# Altium PCB SIm800C-V2.PcbDoc
Units mil, origin at the board's own origin, x right, y up, seen from the top; angles counter-clockwise.
Board outline 2735 x 3935 mil, 2 copper layers (Top Layer, Bottom Layer); 59 components, 41 nets, 205 pads, 140 vias.
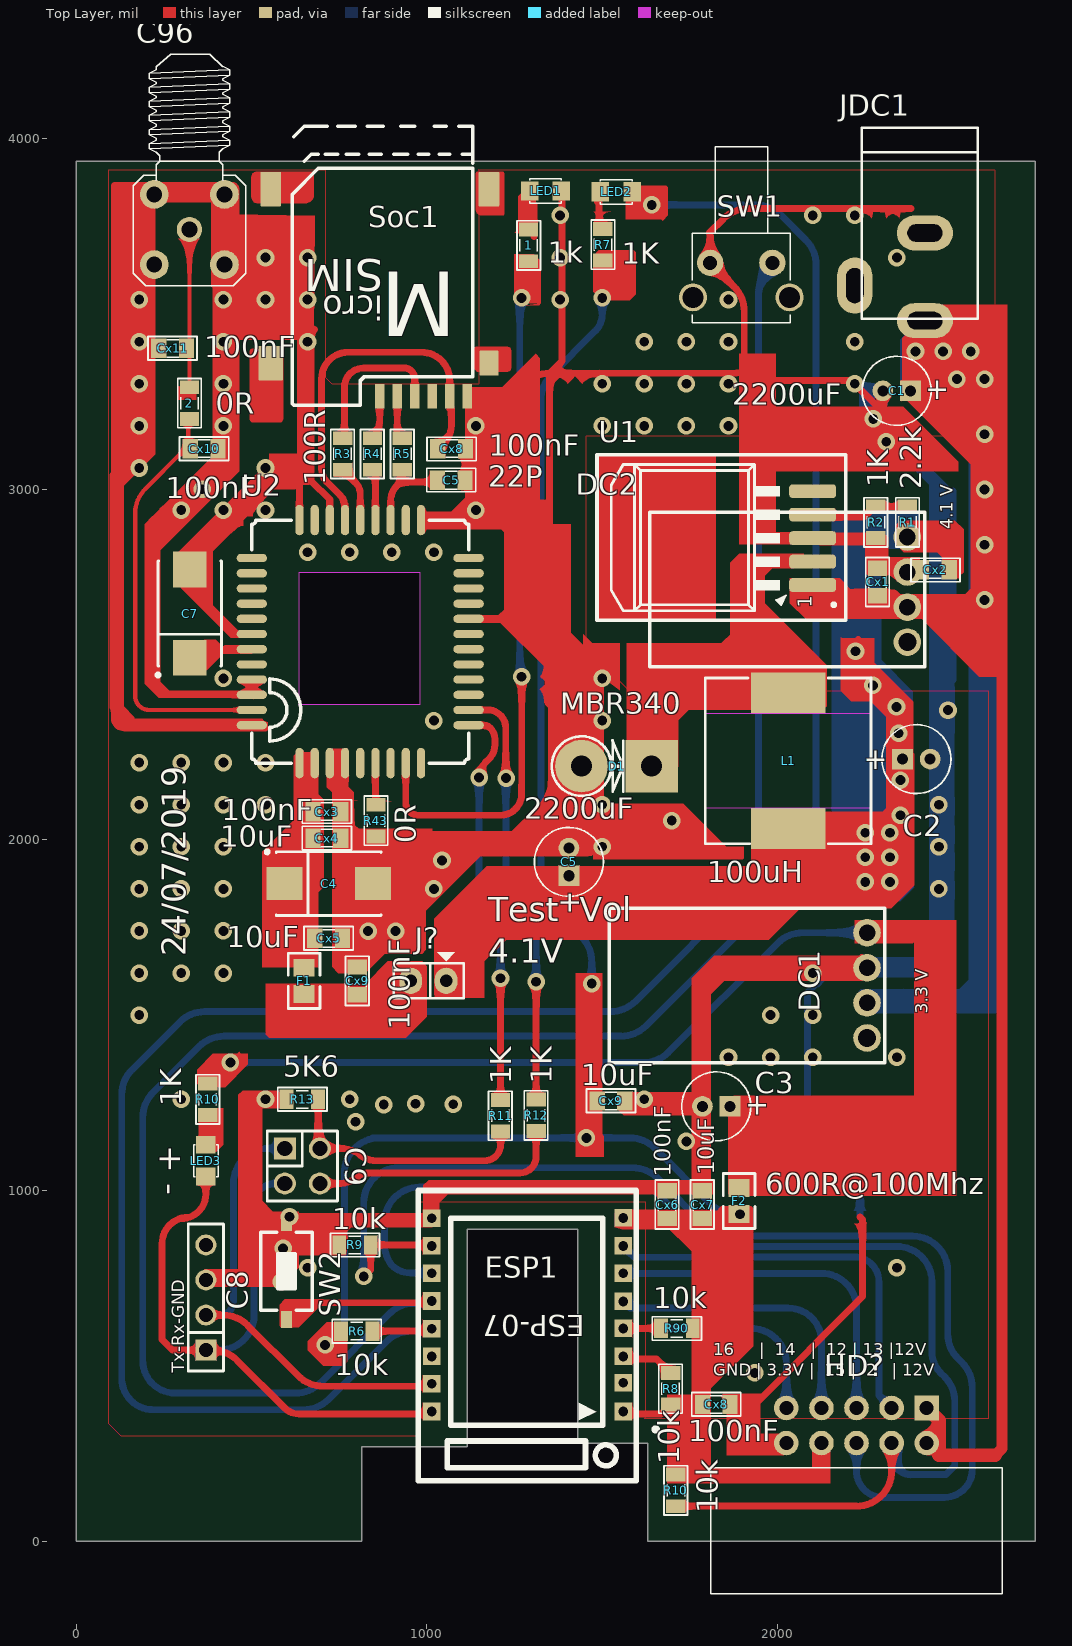
[diagram p0: Top Layer view]
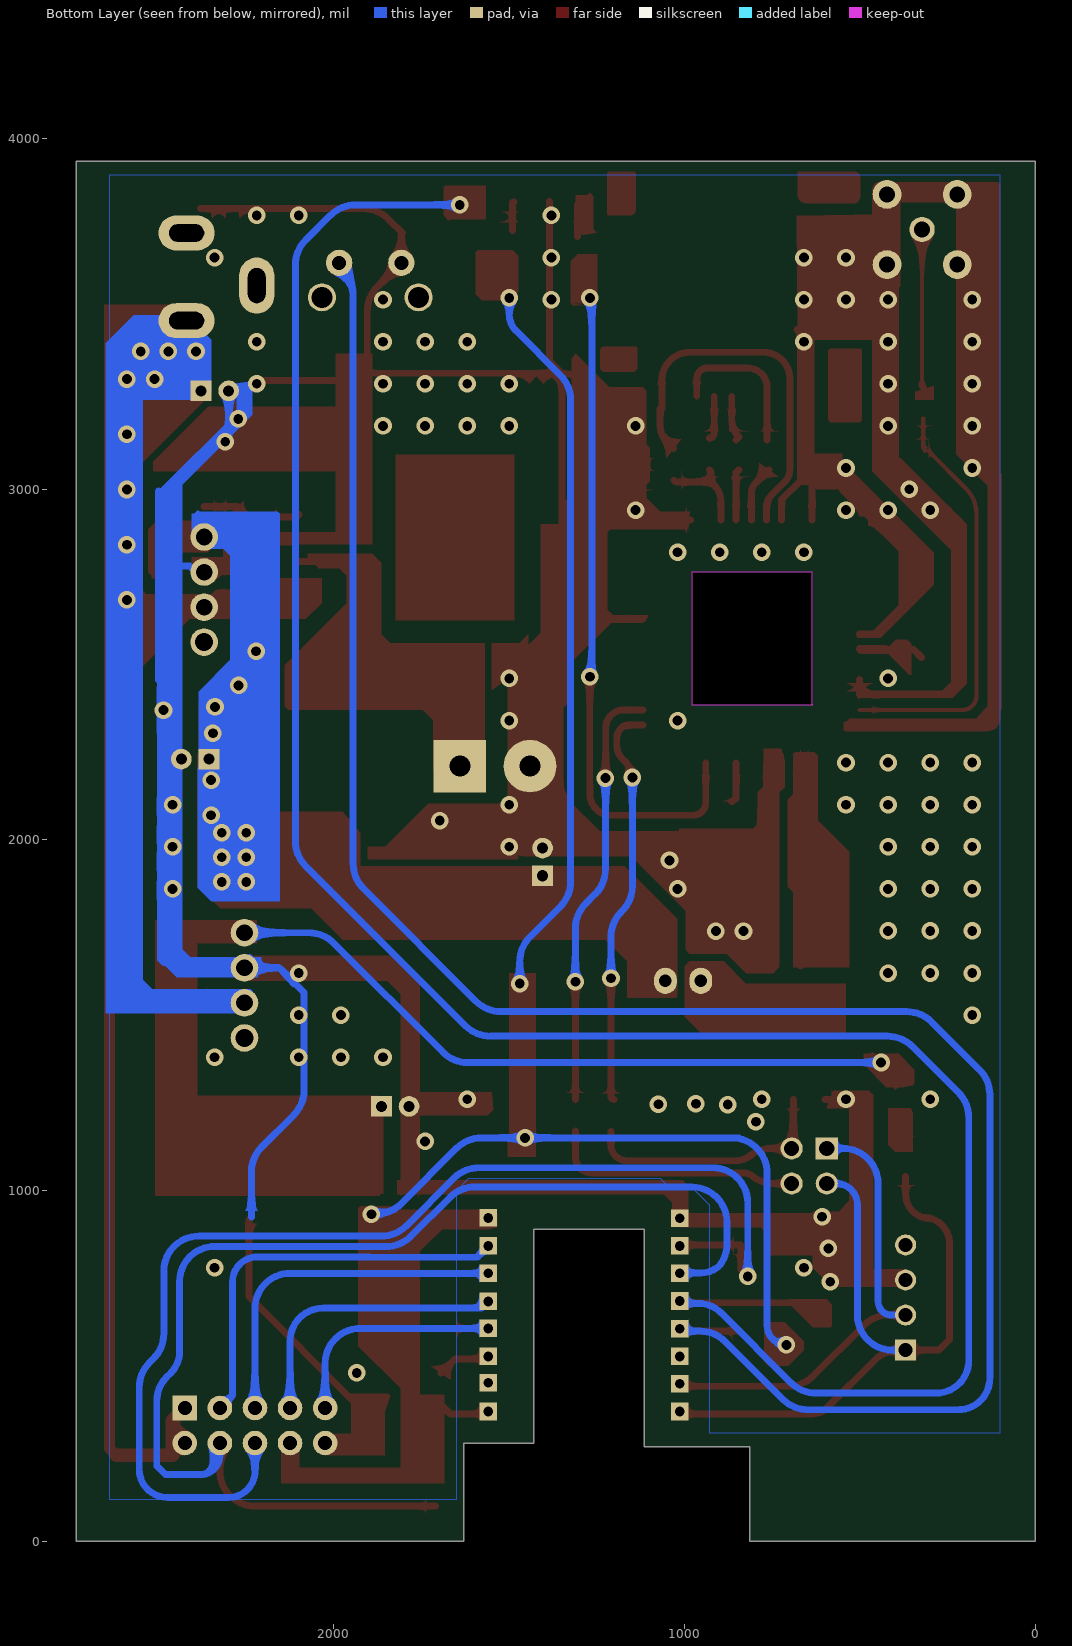
[diagram p1: Bottom Layer view, seen from below]

## Layer stack, top to bottom
Top Solder: solder mask 0.4, Solder Resist, Dk 3.5
Top Layer: signal copper 1.4
Dielectric 1: dielectric 12.6, FR-4, Dk 4.8
Bottom Layer: signal copper 1.4
Bottom Solder: solder mask 0.4, Solder Resist, Dk 3.5

## Board outline
0,0 815,0 815,270 1115,270 1115,890 1430,890 1430,280 1630,280 1630,0 2735,0 2735,3935 0,3935
cut-out: 980,2763.31 980,2385 635,2385 636.69,2386.69 636.69,2763.31

## Design rules (kind name [scope] priority, off if disabled: settings)
Clearance Clearance_2 [InNamedPolygon('Top Layer-GND')] p1: gap=19.68 ignorepadtopadclearanceinfootprint=FALSE
Clearance Clearance_1 [InNamedPolygon('Bottom Layer-No Net')] p2: gap=19.68 ignorepadtopadclearanceinfootprint=FALSE
Clearance [All] p3: gap=10 ignorepadtopadclearanceinfootprint=FALSE except(0: Arc-Hole Track-Hole SMDPad-Hole THPad-Hole Via-Hole Fill-Hole Poly-Hole Region-Hole Text-Hole)
PolygonConnect [All] p1: connectstyle=Relief reliefconductorwidth=10 reliefentries=4 polygonreliefangle="90 Angle" airgapwidth=10
RoomDefinition Sheet1 [InComponentClass('Sheet1')] p1: confinementstyle=ConfineIn formatcopy=TRUE lockcomponents=FALSE outline 2815,70 4830,70 4830,610 2815,610
RoomDefinition MCU [InComponentClass('MCU')] p2: confinementstyle=ConfineIn formatcopy=TRUE lockcomponents=FALSE outline 2815,70 6030,70 6030,1180 2815,1180
RoomDefinition SIM [InComponentClass('SIM')] p3: confinementstyle=ConfineIn formatcopy=TRUE lockcomponents=FALSE outline 7455,1950 14135,1950 14135,2875 7455,2875
RoomDefinition Power [InComponentClass('Power')] p4: confinementstyle=ConfineIn formatcopy=TRUE lockcomponents=FALSE outline 6820,-780 15160,-780 15160,1030 6820,1030
RoutingVias [All] p1: holewidth=28 width=50 viastyle="Through Hole" minholewidth=28 minwidth=50 maxholewidth=28 maxwidth=50
SolderMaskExpansion [All] p1: expansion=4 istentingtop=FALSE
Width [All] p1: maxlimit=39.37 minlimit=10 preferedwidth=19.68
30 further rules are at their usual default settings.

## Classes and differential pairs
component class Sheet1: C8 C9 LED3 R10 R11 R12 R13
component class MCU: Cx6 Cx7 Cx8 Cx9 ESP1 F2 HD? LED2 R6 R7 R8 R9 R10 R90 SW1 SW2
component class SIM: 1 2 C4 C5 C7 C96 Cx3 Cx4 Cx5 Cx8 Cx9 Cx10 Cx11 F1 LED1 R3 R4 R5 R43 Soc1 U2
component class Power: C1 C2 C3 C5 Cx1 Cx2 D1 DC1 DC2 J? JDC1 L1 R1 R2 U1

## Components (designator, comment, footprint, x,y, rotation, side; value= is the part's Value field where it differs from the comment)
1 "1k" RES-SMD-0805 1290,3694.59 r90 top
2 "0R" RES-SMD-0805 323.02,3245 r90 top
C1 "2200uF" CA-ALU-5 2339.37,3280 r180 top value=104
C2 "330uF" CA-ALU-5 2395.63,2230 r0 top value=104
C3 "330uF" CA-ALU-5 1825,1240 r180 top value=104
C4 "100uF" Cap_D 720,1875 r0 top value=100pF
C5 "2200uF" CA-ALU-5 1405,1936.88 r90 top value=104
C5 "22P" CN-SMD-0805 1069.37,3025.01 r180 top value=33pF
C7 "100uF" Cap_D 324.02,2645 r90 top value=100pF
C8 "JP4" JP4-C1T 370,545 r90 top
C9 "JP2x2" JP2-D2T 645,1070 r270 top
C96 "210111003" SMA-RAf 323.01,3740 r180 top
Cx1 "1uF" CN-SMD-0805 2285,2735 r270 top value=33pF
Cx2 "100nF" CN-SMD-0805 2450,2770 r0 top value=33pF
Cx3 "100nF" CN-SMD-0805 714.99,2080.16 r180 top value=33pF
Cx4 "10uF" CN-SMD-0805 715,2004.44 r180 top value=33pF
Cx5 "10uF" CN-SMD-0805 720.01,1719.04 r180 top value=33pF
Cx6 "100nF" CN-SMD-0805 1685,960 r270 top value=33pF
Cx7 "10uF" CN-SMD-0805 1785,960 r90 top value=33pF
Cx8 "100nF" CN-SMD-0805 1825,390 r180 top value=33pF
Cx8 "100nF" CN-SMD-0805 1070.63,3114.99 r0 top value=33pF
Cx9 "10uF" CN-SMD-0805 1525,1255.39 r180 top value=33pF
Cx9 "100nF" CN-SMD-0805 801.78,1597.77 r270 top value=33pF
Cx10 "100nF" CN-SMD-0805 365,3115 r0 top value=33pF
Cx11 "100nF" CN-SMD-0805 275,3401.15 r180 top value=33pF
D1 "MBR340" DIO-5AN 1641.04,2210 r180 top value=1N5007
DC1 "DC_V2" DC_V2 2305,1365 r180 top
DC2 "DC_V2" DC_V2 2420,2493.31 r180 top
ESP1 "ESP_8266" ESP12_small 1287.95,586.5 r180 top
F1 "600R@100Mhz" Capacitor_805 650,1597.77 r270 top
F2 "600R@100Mhz" Capacitor_805 1890,970.18 r90 top
HD? "IDC 5x2" IDC10-BH 2225,185 r180 top value="Header 5x2"
J? "Jumper 2" JP2 1055,1597.77 r180 top value="JP 2"
JDC1 "Jac DC" DC0 2320,3605 r270 top
L1 "100uH" L-SMD-M-12x10 2030,2225 r0 top
LED1 "LED" LED-0805-Green 1293.67,3850 r0 top value="LED 3 - 5 ly 2 Colour"
LED2 "LED" LED-0805-Green 1495,3847.5 r0 top value="LED 3 - 5 ly 2 Colour"
LED3 "LED" LED-0805-Green 370,1130 r270 top value="LED 3 - 5 ly 2 Colour"
R1 "2.2k" RES-SMD-0805 2370,2905 r90 top
R2 "1K" RES-SMD-0805 2280,2905 r270 top
R3 "100R" RES-SMD-0805 760,3100 r270 top
R4 "100R" RES-SMD-0805 845,3100 r270 top
R5 "100R" RES-SMD-0805 930,3100 r270 top
R6 "10k" RES-SMD-0805 800,599 r0 top
R7 "1K" RES-SMD-0805 1501.58,3696.77 r90 top
R8 "10k" RES-SMD-0805 1695,435 r270 top
R9 "10k" RES-SMD-0805 795,845 r0 top
R10 "10k" RES-SMD-0805 1710,145 r270 top
R10 "1K" RES-SMD-0805 375,1260 r90 top
R11 "1K" RES-SMD-0805 1210,1213.4 r270 top
R12 "1K" RES-SMD-0805 1311.62,1214.37 r270 top
R13 "5K6" RES-SMD-0805 645,1260 r180 top
R43 "0R" RES-SMD-0805 854.78,2054.65 r90 top
R90 "10k" RES-SMD-0805 1712.83,607 r0 top
Soc1 "MicroSIM" microSIM 1115.63,3264.45 r180 top
SW1 "SW" SW1-DIP 1985,3645 r180 top value="SW chip 2 pin"
SW2 "SW" SW1-SMD 600,770 r90 top value="SW chip 2 pin"
U1 "LM2976" TO263 1865,2845 r90 top
U2 "SIM800C" SIM800C 810,2565 r180 top

## Footprints (in the part's own frame and the unit in brackets; to place one, negate y for a bottom-side part, rotate by r counter-clockwise, add the part's x,y. Pads: shape width x height; smd on the part's side, far side on the other; paste and mask are expansions set on the pad)
CA-ALU-5 [mm] "Polarized capacitors, Aluminum Electrolytic Capacitors, 2-Leads, Body 5x11x2x0.5"
  rect 1.5x1.5 hole 0.8: 1(-1,0)
  round 1.5 hole 0.8: 2(1,0)
  silkscreen extent -2.5,-2.5 2.5,2.5, body extent -2.41,-2.5 2.59,2.5, height 11
Cap_D [mm] "Capacitor, SM Tantalum; Body 7.3 x 4.3 mm (LxW typ)"
  rect 2.6x2.4 smd: 1(-3.2,0) 2(3.2,0)
  silkscreen extent -4.57,-2.3 3.8,2.42, body extent -3.65,-2.15 3.65,2.15, height 2.8
Capacitor_805 [mm]
  rect 1.3x1.5 smd: 1(0.95,0) 2(-0.95,0)
  silkscreen extent -2,-1.15 2,1.15, body extent -1,-0.63 1,0.62, height 0.78
CN-SMD-0805 [mil]
  rect 43.31x55 smd: 1(-39.36,0.01) 2(39.37,0.01)
  silkscreen extent -70,-34 70,33, body extent -39,-25 39,25, height 31
DC0 [mil] "Jac DC input"
  oval 100x160 hole 50 slot 100 at 90 deg: 1(125,100) 2(-125,100)
  oval 160x100 hole 50 slot 100 at 0 deg: 3(25,-100)
  silkscreen extent -425,-80 120,250, body extent -410,-105 134,269, height 434
DC_V2 [mm]
  round 2 hole 1.2: 1(1.27,-4.318) 2(1.27,-6.858) 3(1.27,-9.398)
  round 2 hole 1.3: 4(1.27,-1.778)
  silkscreen extent 0,-11.18 19.94,0
DIO-5AN [mil] "Diode 5A, W 200mil, L 250mil"
  round 150 hole 60: 1(200,0)
  rect 150x150 hole 60: 2(0,0)
  silkscreen extent 81,-85 285,85, body extent -32,-111 222,90, height 451
ESP12_small [mil]
  rect 50x50 hole 27.95: 1(-272.05,216.5) 2(-272.05,134.5) 3(-272.05,59.5) 4(-272.05,-20.5) 5(-272.05,-97.5) 6(-272.05,-177.5) 7(-272.05,-255.5) 8(-272.05,-335.5) 9(274.13,-334.5) 10(274.13,-255.5) 11(274.13,-177.5) 12(274.13,-98.5) 13(274.13,-19.5) 14(274.13,59.5) 15(274.13,137.5) 16(274.13,216.5)
  silkscreen extent -370,-414 312,414, body extent -319,-392 320,552, height 354
IDC10-BH [mil]
  rect 70x70 hole 40: 1(-200,-195)
  round 70 hole 40: 2(-200,-95) 3(-100,-195) 4(-100,-95) 5(0,-195) 6(0,-95) 7(100,-195) 8(100,-95) 9(200,-195) 10(200,-95)
  silkscreen extent -415,-25 415,335, body extent -412,-204 412,330, height 354
JP2 [mil]
  oval 65x75 hole 36: 1(0,0) 2(101,0)
  silkscreen extent -50,-81 150,50, body extent -48,-50 148,48, height 323
JP2-D2T [mm] "4 pins, dual pin, straight, gold plating"
  rect 1.6x1.6 hole 1.1: 1(-1.27,-1.27)
  round 1.6 hole 1.1: 2(1.27,-1.27) 3(1.27,1.27) 4(-1.27,1.27)
  silkscreen extent -2.54,-2.54 2.54,2.54, body extent -2.54,-2.54 2.54,2.54, height 8.55
JP4-C1T [mm] "4 row, straight, gold plating"
  rect 1.52x1.52 hole 1.02: 1(0,0)
  round 1.52 hole 1.02: 2(2.54,0) 3(5.08,0) 4(7.62,0)
  silkscreen extent -1.52,-1.27 9.14,1.27, body extent -1.52,-1.25 9.14,1.25, height 8.51
L-SMD-M-12x10 [mm] "WE-PDA SMD Shielded Power Inductor, 1210"
  rect 5.4x3 smd: 1(0,4.9) 2(0,-4.9)
  Top Layer keep-out region: -6,-3.4 6,-3.4 6,3.4 -6,3.4
  silkscreen extent -6,-6 6,6, body extent -6,-6 6,6, height 9.7
LED-0805-Green [mil]
  rect 50x55 smd: 1(0,0) 2(90,0)
  silkscreen extent 0,-35 90,35, body extent 5,-25 85,25, height 43
microSIM [mm] "microSIM PUSH"
  rrect10% 0.7x1.8 smd: 1(1.27,0) 2(3.81,0) 3(6.35,0) 5(0,0) 6(2.54,0) 7(5.08,0)
  rrect10% 1.4x1.8 smd: 10(-1.56,-2.4)
  rrect10% 1.8x2.5 smd: 11(14.24,-2.4)
  rrect10% 1.5x2.5 smd: 12(-1.56,-15) 13(14.24,-15)
  silkscreen extent -0.38,-19.56 12.7,0.63, body extent -0.94,-16.45 13.46,-0.45, height 1.26
RES-SMD-0805 [mil]
  rect 39.37x55 smd: 1(-45,0) 2(45,0)
  silkscreen extent -70,-34 70,33, body extent -39,-25 39,25, height 31
SIM800C [mm]
  oval 2.2x0.6 smd: 1(-7.85,6.05) 2(-7.85,4.95) 3(-7.85,3.85) 4(-7.85,2.75) 5(-7.85,1.65) 6(-7.85,0.55) 7(-7.85,-0.55) 8(-7.85,-1.65) 9(-7.85,-2.75) 10(-7.85,-3.85) 11(-7.85,-4.95) 12(-7.85,-6.05) 22(7.85,-6.05) 23(7.85,-4.95) 24(7.85,-3.85) 25(7.85,-2.75) 26(7.85,-1.65) 27(7.85,-0.55) 28(7.85,0.55) 29(7.85,1.65) 30(7.85,2.75) 31(7.85,3.85) 32(7.85,4.95) 33(7.85,6.05)
  oval 0.6x2.2 smd: 13(-4.4,-8.8) 14(-3.3,-8.8) 15(-2.2,-8.8) 16(-1.1,-8.8) 17(0,-8.8) 18(1.1,-8.8) 19(2.2,-8.8) 20(3.3,-8.8) 21(4.4,-8.8) 34(4.4,8.8) 35(3.3,8.8) 36(2.2,8.8) 37(1.1,8.8) 38(0,8.8) 39(-1.1,8.8) 40(-2.2,8.8) 41(-3.3,8.8) 42(-4.4,8.8)
  silkscreen extent -7.85,-8.8 7.85,8.8, body extent -7.85,-8.8 7.85,8.8, height 2.37
SMA-RAf [mil]
  round 72 hole 45: 1(0,0)
  round 82 hole 45: 2(-100,-100) 3(100,-100) 4(100,100) 5(-100,100)
  silkscreen extent -160,-500 160,160, body extent -137,-457 139,137, height 394
SW1-DIP [mil]
  round 75 hole 40: 1(0,0) 2(177.16,0)
  round 80 hole 60: ""(-49.21,98.43) ""(226.38,98.43)
  silkscreen extent -51,-331 228,171, body extent -87,-398 265,160, height 283
SW1-SMD [mm]
  rect 1.2x0.8 smd: 1(-3.5,0) 2(3.5,0)
  silkscreen extent -2.82,-1.85 2.82,1.85, body extent -3.05,-1.85 3.05,1.85, height 2.5
TO263 [mm]
  rrect50% 1x3.4 smd: 1(-3.019,-5.969) 2(-1.319,-5.969) 4(2.081,-5.969) 5(3.781,-5.969)
  rrect50% 1x3.4 smd mask+0: 3(0.381,-5.969)
  Top Layer region: -5.568,1.016 6.432,1.016 6.432,9.65 -5.568,9.65
  silkscreen extent -5.57,-8.35 6.43,9.65, body extent -4.73,-6.84 5.43,7.8, height 4.57

## Part data
1 2 R1 R2 R3 R4 R5 R6 R7 R8 R9 R10 R10 R11 R12 R13 R43 R90: library part Res-SMD, "Resistor", Manufacturer="Generic Components", Class=Passive, Published=08/06/2000, Publisher="Altium Hobart Technology Centre"
C1 C2 C3 C5: library part CN-ALU-DIP, "Capacitor (Semiconductor SIM Model)", LatestRevisionDate=17-Jul-2002, LatestRevisionNote="Re-released for DXP Platform.", PackageReference=C1206, Publisher="Altium Limited"
C4 C7: library part "Tantalum Cap", "Solid Tantalum Chip Capacitor, Standard T491 Series - Industrial Grade", PackageDocument=Mar-2001, Code_JEITA=3528-21, ComponentLink1Description="Manufacturer Link", ComponentLink1URL=http://www.kemet.com/, ComponentLink2Description=Datasheet, ComponentLink2URL=http://www.kemet.com/kemet/web/homepage/kechome.nsf/vapubfilesname/F3102TA.pdf/$file/F3102TA.pdf, DatasheetDocument=Mar-2001, LatestRevisionDate=19-Mar-2004, LatestRevisionNote="Silkscreen dimensions re-sized.", PackageReference=B, Published=17-Jul-2002, Publisher="Altium Limited"
C5 Cx1 Cx2 Cx3 Cx4 Cx5 Cx6 Cx7 Cx8 Cx8 Cx9 Cx9 Cx10 Cx11: library part CN
C8: "WR-PHD 2.54 mm Angled Socket Header", Manufacturer="W¨¹rth Elektronik eiSos GmbH", partNo=613004143121, ComponentLink1 Description=Manufacturer, ComponentLink1URL=http://www.we-online.com, ComponentLink2 Description=Datasheet, ComponentLink2URL=http://katalog.we-online.de/em/datasheet/6130xx143121.pdf, Created by="Karrer Zheng", Created Date="29 March 2013", NoPins=04
C9: "WR-PHD 2.54 mm Dual Socket Header", Manufacturer="W¨¹rth Elektronik eiSos GmbH", partNo=61300421821, ComponentLink1 Description=Manufacturer, ComponentLink1URL=http://www.we-online.com, ComponentLink2 Description=Datasheet, ComponentLink2URL=http://katalog.we-online.de/em/datasheet/6130xx21821.pdf, Created by="Karrer Zheng", Created Date="29 March 2013", NoPins=04
C96: library part "CON Ant", "CONNECTOR ANTEN", Manufacturer="Würth Elektronik eiSos GmbH", ComponentLink1Description=Manufacturer, ComponentLink1URL=http://www.we-online.de, ComponentLink2Description=Datasheet, ComponentLink2URL=http://katalog.we-online.de/kataloge/eisos/index.php?language=en&pf=Filter_gerade, Created by="Christin Zierenner", Created Date="May 2012", partNo=210111003
D1: library part Diode, "Default Diode", Code - JEDEC=DO-214-AB, Published=8-Jun-2000, Publisher="Altium Limited", Revision="July-2002: Re-released for DXP Platform."
DC1 DC2: library part DC_Module_V2
F1 F2: library part Ferrite
HD?: library part "IDC 5X2"
J?: library part "JP 2"
JDC1: library part DCIN, "Jac DC input"
L1: library part L-SMD-1, Inductance="1.0 µH", Manufacturer="Wurth Elektronik", partNo=78477010, ComponentLink1Description=Manufacturer, ComponentLink1URL=http://www.we-online.de, ComponentLink2Description=Datasheet, ComponentLink2URL=http://katalog.we-online.de/pbs/datasheet/78477010.pdf, Created by="Baojun Chen", Created Date=Nov.2015
LED1 LED2 LED3: library part "LED SMD"
Soc1: library part Soc_Micro_SIM
SW1 SW2: library part SW2, "Switch button 2 pin"
U1: library part LM2596, Max Input Voltage="12 V", Max Output Current="3 (6.0 peak) A", Max Output Voltage=mV, Temperature Range="-40 to +125 degC", Category=IC-Power, Min Input Voltage=mV, Min Output Voltage=mV, Mounting Technology="Surface Mount", Status=Unreleased, Supply Voltage=mV

## Via types
v1: diameter 50, hole 28, Top Layer to Bottom Layer, tented both sides, 140 vias

## Nets (pads, with @x,y where several pads share a name; then routed paths per layer and width w, separated by ;. In a path a pad name is that pad's centre, name@x,y a point inside that pad or via, vN(x,y) a via of type N, cw(c..) or ccw(c..) an arc to the next point about the centre after c; other vN are vias at no path point)
GND: C1.2 C2.2 C3.2 C4.2 C5.1@1108.74,3025 C5.2@1405,1976.25 C7.2 C8.3 C96.2 C96.3 C96.4 C96.5 Cx1.1 Cx2.1 Cx3.1 Cx4.1 Cx5.1 Cx6.1 Cx7.2 Cx8.1@1864.36,390 Cx8.2@1110,3115 Cx9.1 Cx10.2 Cx11.2 D1.1 DC1.2 DC2.2 ESP1.9 HD?.10 JDC1.2 LED1.2 R2.2 R9.1 R13.2 R43.1 Soc1.5 SW1.2 SW2.2 U1.3 U2.8 U2.13 U2.19 U2.21 U2.27 U2.30 U2.31 U2.33 U2.36 U2.37 | length 18731.5
  Top Layer w19.68: C96.3@220.41,3827.32 393.92,3827.32 393.92,3649.69 393.92,3580.91 ; C96.3@222.41,3822.32 180,3822.32 v1(180,3540) v1(180,3420) v1(180,3300) v1(180,3180) 180,3115 105,3040 105,2385 ccw(c160,2385) 160,2330 497.76,2330 U2.33 ; 360,3050 210,2900 210,2468.43 ccw(c265,2468.43) 265,2413.43 U2.31 U2.30 ; C8.3 510,745 600,835 600,870 ; 407.22,3455 679.52,3455 ccw(c714.17,3428.11) 670.32,3428.11 670.32,3022.7 723.39,2969.63 U2.19 ; U2.27 453.35,2586.65 362.5,2677.5 362.5,2732.5 C7.2 550.49,2997.46 ; 567.5,920.64 510,978.14 510,1240 530,1260 R13.2 ; SW2.2 600,870 ; U2.21 636.77,3026.77 668.19,3058.19 ; U2.37 766.69,2102.67 784.36,2084.99 784.36,1994.99 ; 825.98,1825 825.98,1875 825.98,1953.37 784.36,1994.99 ; U2.13 1081.46,2911.46 1127.5,2957.5 1127.5,3006.24 1108.74,3025 1108.74,3113.74 1110,3115 Cx8.2@1120,3125 ; U2.8 1320.04,2629.96 ; 1222.52,2002.48 1215.03,1994.99 871.93,1994.99 784.36,1994.99 ; 1245,3264.45 1282.64,3302.09 cw(c1350,3234.76) 1350,3330 ; 1316.25,2960 1345,2960 1350,2955 ; 1385,3820.55 1385,3365 1350,3330 ; D1.1 1355,2123.96 ; Cx9.1@1564.36,1255.39 1770.24,1255.39 C3.2 ; Cx8.1@1864.36,390 1935,390 2242.5,697.5 2242.5,917.5 2235,925 ; 1925.57,3290 1940,3275.57 1940,2885 1965,2860 U1.3 2235,2860 ; 1925.57,3310 2210,3310 2300,3220 C1.2 ; 1935,3355 cw(c1874.64,3415.36) 1905,3335.58 ; DC1.2@2240,1665 2207.2,1632.2 1825,1632.2 1785.63,1592.83 C3.2 ; R2.2 2280,2779.37 Cx1.1 DC2.2@2375.01,2774.36 ; 2380.57,3799.43 2367.72,3799.43 2288.98,3799.43 1915.85,3799.43 ccw(c1915.85,3699.43) 1845.14,3770.14 1805,3730 cw(c1798.16,3723.16) 1807.83,3723.16 SW1.2 1875.71,3577.12 cw(c1805,3506.41) 1905,3506.41 1905,3335.58 ; 600,870 630,840 745,840 R9.1 750,885 779,914 1013.82,914 ESP1.9 1013.82,973.82 1039.36,999.36 Cx6.1 1700.02,1014.37 1784.99,1014.37 1784.99,1239.36 C3.2 ; 1320.04,2629.96 1345,2605 1345,2390 1355,2380 1355,2123.96 ; 1320.04,2629.96 1344.96,2629.96 1350,2635 1350,2955 ; 1350,2955 1350,3330 ; 1350,3330 1874.64,3330 ccw(c1874.64,3415.36) 1905,3335.58 ; 1355,2123.96 1233.52,2002.48 1233.52,1975.61 1355,2097.09 1355,2123.96
  Bottom Layer w19.68: 2235,925 2235,1053.58 ccw(c2135,1053.58) 2205.71,1124.29 2114.29,1215.71 cw(c2185,1286.42) 2085,1286.42 2085,1565 2155,1635 DC1.2 ; DC1.2@2240,1665 2255,1650 2485,1650 2495,1660 2495,2235 ; v1@2300,3135 C1.2 ; DC2.2 2381.3,2774.61 2405.67,2774.61 2411.06,2780 2455,2780 ; C2.2 2490,2230 2495,2235 ; 2500,2994.37 2500,2455 2495,2450 2495,2235
  other v1: 1934.65,479.84 585,740 660,780 2340,780 590,835 608.36,925 1740,1140 796.7,1196.27 876.93,1245 1075,1245.79 968.05,1247.5 300,1260 540,1260 780,1260 1620,1260 1860,1380 1980,1380 2100,1380 2340,1380 180,1500 1980,1500 2100,1500 180,1620 300,1620 420,1620 2100,1620 180,1740 300,1740 420,1740 832.28,1739.69 911.02,1739.69 180,1860 300,1860 420,1860 1020,1860 2460,1860 1043.21,1941.26 180,1980 300,1980 420,1980 1500,1980 2460,1980 1698.43,2054.65 180,2100 300,2100 420,2100 540,2100 1500,2100 2460,2100 180,2220 300,2220 420,2220 540,2220 1020,2340 1500,2340 2485.83,2369.61 420,2460 1500,2460 660,2820 780,2820 900,2820 1020,2820 300,2940 420,2940 540,2940 1140,2940 359.84,2999.53 180,3060 540,3060 2310,3135 420,3180 1140,3180 1500,3180 1620,3180 1740,3180 1860,3180 2272.5,3200 420,3300 1500,3300 1620,3300 1740,3300 1860,3300 2220,3300 420,3420 660,3420 1620,3420 1740,3420 1860,3420 2220,3420 420,3540 540,3540 660,3540 1380,3540 1860,3540 540,3660 660,3660 1380,3660 2340,3660 1380,3780 2100,3780 2220,3780
Net1_1: 1.1 U2.41 | length 2024.8
  Top Layer w19.68: U2.41 939.92,2105 ccw(c974.92,2105) 974.92,2070 1210,2070 ccw(c1210,2130) 1270,2130 1270,2156.47 1270.65,2157.12 1270.65,2464.35 v1(1270,2465) ; v1(1270,3545) 1270,3645 1.1@1275,3650
  Bottom Layer w19.68: v1(1270,2465) 1264.72,2470.28 1264.72,3539.73 v1(1270,3545)
Net1_2: 1.2 LED1.1 | length 104.7
  Top Layer w19.68: 1295,3820.55 1305,3810.55 1305,3739.59 1.2@1305,3720
Net2_1: 2.1 Cx10.1 U2.32 | length 1193
  Top Layer w12: Cx10.1@304.83,3108.06 197.63,3000.86 ccw(c268.34,2930.15) 168.34,2930.15 168.34,2410 ccw(c208.22,2410) 208.22,2370.12 U2.32 ; Cx10.1@314.04,3118.64 ccw(c316.54,3118.64) Cx10.1@314.77,3116.86 ; Cx10.1@314.83,3109.42 ccw(c312.88,3111.37) Cx10.1@315.64,3111.37 ; Cx10.1@319.67,3118.01 2.1@319.67,3201.23
Net2_2: 2.2 C96.1 Cx11.1 | length 487.2
  Top Layer w12: C96.1@321.02,3748.21 ccw(c318.94,3748.21) 320.41,3749.69 cw(c302.08,3731.35) C96.1@328.01,3731.35 ; 2.2 323.02,3296.54 323.02,3401.15 323.02,3442.09 C96.1@323.02,3743.21
  Top Layer w19.68: 2.2@319.15,3290.01 ccw(c308.34,3300.82) 323.02,3296.54 ccw(c308.34,3300.82) 2.2@323.63,3300.82
NetC1_1: C1.1 Cx1.2 DC1.1 DC2.1 HD?.1 HD?.2 JDC1.1 U1.1 | length 6082.1
  Top Layer w19.68: JDC1.1@2450,3480 2378.74,3408.74 C1.1 2592.2,3066.54
  Top Layer w31.5: 2620,245 2640,265 2640,2569.77
  Top Layer w39.37: U1.1 2147.24,2726.14 2147.24,2718.69 2170.31,2695.63 Cx1.2 2286.97,2693.66 2329,2693.66 2359.35,2663.31 DC2.1 2546.46,2663.31 2603.94,2605.83 2603.94,2683.74 2603.94,2763.31 2603.94,2841.22 2603.94,2920.79 2603.94,2998.7 2603.94,3054.8 2595,3063.74 ; HD?.1 2460,345 2460,245 2620,245
  Bottom Layer w19.68: DC1.1@2240,1565 2530,1565 2585,1620 2585,2605.83 ; JDC1.1@2450,3480 2418.74,3448.74 2506.26,3448.74 2556.61,3398.39 2585,3370 2585,3313.66 2585,3156.18 2585,3078.27
  other v1: 2590,2683.74 2590,2841.22 2590,2998.7 2590,3156.18 2511.26,3313.66 2590,3313.66 2393.15,3392.4 2471.89,3392.4 2550.63,3392.4
NetC2_1: C2.1 C5.1@1405,1897.51 Cx2.2 DC2.3 J?.1 L1.2 R1.1 | length 3383.3
  Top Layer w19.68: J?.1 1150.52,1693.29 1150.52,1890.52 1160,1900 2045,1900 ; 2190,1955 2135,1900 2045,1900 ; 2230,2571.46 2230,2510.72 2356.26,2384.46 C2.1 2356.26,2116.26 2272.09,2032.09 L1.2 2030,1915 2045,1900 ; R1.1 2475,2860 2489.37,2845.63 Cx2.2
  Bottom Layer w19.68: C2.1 2247.5,2338.76 2247.5,2822.5 2288.31,2863.31 DC2.3
  other v1: 2250,1880 2320,1880 2250,1950 2320,1950 2250,2020 2320,2020 2350,2070 2350,2170 2345,2303.54 2339,2378.74 2271.81,2440 2222.03,2537.5
NetC3_1: C3.1 DC1.3 F2.1 R10.2@375,1305 | length 2316
  Top Layer w19.68: R10.2@375,1305 420,1350 445,1375 450,1375 v1(440,1365) ; C3.1 1890,1214.37 F2.1@1890,1012.4
  Bottom Layer w19.68: v1(440,1365) 1618.58,1365 ccw(c1618.58,1465) 1689.29,1394.29 2000.71,1705.71 cw(c2071.42,1635) 2071.42,1735 DC1.3
NetC7_1: C7.1 U2.28 | length 187
  Top Layer w19.68: C7.1 348.35,2543.35 U2.28
NetC8_1: C8.1 C9.2 ESP1.16 LED3.2 | length 2036
  Top Layer w19.68: 300,920 ccw(c300,990) 323.03,923.9 ; LED3.2 370,990 cw(c300,990) 323.03,923.9 ; ESP1.16@1013.82,363 635,363 cw(c635,418.53) 595.74,379.26 459.29,515.71 ccw(c388.58,445) 388.58,545 C8.1 275,545 245,575 245,848.9 cw(c320,848.9) 252.54,881.67 cw(c320,848.9) 320,923.9 323.03,923.9
  Bottom Layer w19.68: C8.1 407.5,545 ccw(c407.5,645) 420.9,545.9 ccw(c407.5,645) 507.5,645 507.5,960 cw(c567.5,960) 567.5,1020 C9.2
NetC8_2: C8.2 C9.1 ESP1.15 | length 1359.6
  Top Layer w19.68: C8.2 418.58,645 cw(c418.58,545) 489.29,615.71 633.71,471.29 ccw(c704.42,542) 704.42,442 ESP1.15@1013.82,442
  Bottom Layer w19.68: C8.2 409.61,645 ccw(c409.61,684) 448.61,684 448.61,1020 cw(c548.61,1020) 548.61,1120 C9.1
NetC9_3: C9.3 R12.2 | length 722.8
  Top Layer w19.68: C9.3 746.08,1020 ccw(c746.08,1120) 801.11,1036.51 cw(c833.69,1003.93) 811.29,1044.19 cw(c833.69,1003.93) 833.69,1050 1265,1050 ccw(c1265,1096.62) 1311.62,1096.62 R12.2
NetC9_4: C9.4 R11.2 R13.1 | length 749.8
  Top Layer w19.68: R13.1 690,1125 C9.4 753.58,1120 cw(c753.58,1020) 804.87,1105.84 ; R11.2 1210,1130 cw(c1165,1130) 1165,1085 855.19,1085 cw(c855.19,1156.17) 821.27,1093.6 ; 804.87,1105.84 cw(c753.58,1020) 821.27,1093.6 ; 804.87,1105.84 ccw(c855.19,1156.17) 821.27,1093.6
NetCx6_2: Cx6.2 Cx7.1 Cx8.2@1785.63,390 Cx9.2@1485.63,1255.39 ESP1.1 ESP1.8 F2.2 HD?.8 R6.1 R7.1 R8.2 R10.1@1710,190 R90.2 | length 5603.4
  Top Layer w19.68: v1(710,560) 710,565 744,599 R6.1 ; v1(1455,1150) 1455,1224.76 Cx9.2@1470.08,1239.84 ; v1(1470.08,1590) Cx9.2@1470.08,1239.84 ; Cx9.2@1485.63,1255.39 Cx9.2@1470.08,1239.84 ; v1(1500,3545) 1515,3545 1550,3580 1555,3575 1580.32,3600.32 ; ESP1.1@1560,363 1668,363 R8.2 1770,390 Cx8.2@1777.81,397.81 ; ESP1.8@1560,915 1565.63,920.63 Cx6.2 1696.98,932.6 Cx7.1@1780,932.6 ; Cx8.2@1780,400 Cx7.1@1780,932.6 ; 1855,932.6 Cx7.1@1780,932.6 ; 1860,932.6 v1(1893.03,932.6) F2.2@1894.99,930.64
  Bottom Layer w19.68: v1(710,560) ccw(c710,615) 765,615 765,1050 cw(c865,1050) 844.2,1147.81 cw(c846.38,1147.81) 846.38,1150 v1(1455,1150) 1579.21,1150 cw(c1579.21,1050) 1649.92,1120.71 1808.74,961.89 ccw(c1879.45,1032.6) 1879.45,932.6 v1(1893.03,932.6) ; v1(1470.08,1590) 1470.08,1652.75 ccw(c1370.08,1652.75) 1440.79,1723.46 1399.63,1764.63 1354.29,1809.96 cw(c1425,1880.67) 1325,1880.67 1325,3253.58 cw(c1425,3253.58) 1354.29,3324.29 1480,3450 ccw(c1431.72,3498.28) 1500,3498.28 v1(1500,3545)
NetCx9_2: Cx9.2@801.78,1558.39 F1.1 J?.2 | length 379.6
  Top Layer w19.68: 590,1560 720.01,1560 801.78,1560 916.23,1560 J?.2
NetD1_2: D1.2 L1.1 U1.2 | length 1129.3
  Top Layer w19.68: D1.2 1707.09,2210 1707.09,2415.23 1772.79,2480.94 1828.22,2480.94 1837.28,2490 1855,2490 1925,2560 ; L1.1 2030,2430 1925,2535 1930,2540 1930,2775 1948.07,2793.07 U1.2
NetESP1_3: ESP1.3 R8.1 | length 151.6
  Top Layer w19.68: ESP1.3@1560,520 1655,520 R8.1
NetESP1_4: ESP1.4 HD?.9 R90.1 | length 756.9
  Top Layer w19.68: ESP1.4 R90.1
  Bottom Layer w19.68: ESP1.4 1925,607 cw(c1925,507) 1938.98,606.02 cw(c1925,507) 2024.02,520.98 cw(c1925,507) 2025,507 HD?.9
NetESP1_5: ESP1.5 HD?.7 | length 817.1
  Bottom Layer w19.68: ESP1.5 1579,665 2030,665 cw(c2030,570) 2125,570 HD?.7
NetESP1_6: ESP1.6 HD?.5 | length 1006.1
  Bottom Layer w19.68: ESP1.6 2125,764 cw(c2125,664) 2225,664 HD?.5
NetESP1_7: ESP1.7 HD?.3 | length 1158.1
  Bottom Layer w19.68: ESP1.7 1592.21,809.79 1898.17,809.79 1899.17,810.79 2218.19,810.79 cw(c2218.19,740) 2288.98,740 2288.98,416.02 HD?.3
NetESP1_10: ESP1.10 HD?.6 R9.2 | length 3421.5
  Top Layer w19.68: v1(820,755) 840,775 R9.2 1003.82,845 ESP1.10@1013.82,835
  Bottom Layer w19.68: v1(820,755) 820,965 cw(c920,965) 920,1065 1586.6,1065 cw(c1586.6,965) 1657.31,1035.71 1793.57,899.45 ccw(c1864.28,970.16) 1864.28,870.16 2385,870.16 cw(c2385,770.16) 2485,770.16 2485,591.42 ccw(c2585,591.42) 2514.29,520.71 2525.71,509.29 cw(c2455,438.58) 2555,438.58 2555,205 cw(c2475,205) 2475,125 2300,125 cw(c2300,200) 2276.08,128.92 cw(c2300,200) 2228.92,176.08 cw(c2300,200) 2225,200 HD?.6
NetESP1_11: ESP1.11 HD?.4 R10.2@1710,100 | length 3537.4
  Top Layer w19.68: R10.2@1710,100 2225,100 ccw(c2225,200) 2325,200 HD?.4
  Bottom Layer w19.68: ESP1.11 ccw(c1011.4,761.59) 1011.4,765 953.9,765 cw(c953.9,842.88) 898.83,787.81 cw(c979.48,846.95) 882.51,822.49 cw(c979.48,846.95) 879.48,846.95 879.48,910 cw(c979.48,910) 979.48,1010 1598.58,1010 cw(c1598.58,910) 1669.29,980.71 1780.24,869.76 ccw(c1850.95,940.47) 1850.95,840.47 2340,840.47 cw(c2340,740.47) 2440,740.47 2440,540.47 ccw(c2525.62,540.47) 2465.06,479.94 ; HD?.4 2325,245 ccw(c2380,245) 2380,190 2480,190 2505,215 2505,400 ccw(c2408.43,400) 2476.72,468.28 2465.08,479.92
NetESP1_12: ESP1.12 LED2.2 SW2.1 | length 6584.2
  Top Layer w19.68: SW2.1 600,643.23 636.77,680 1011.82,680 ESP1.12@1013.82,678
  Bottom Layer w19.68: ESP1.12@1013.82,678 960,678 ccw(c960,588.67) 896.84,651.84 696.79,451.79 cw(c626.08,522.5) 626.08,422.5 282.5,422.5 cw(c282.5,515) 271.89,423.11 cw(c282.5,515) 190.61,504.39 cw(c282.5,515) 190,515 190,1208.58 cw(c290,1208.58) 219.29,1279.29 350.71,1410.71 cw(c421.42,1340) 421.42,1440 1553.58,1440 ccw(c1553.58,1540) 1624.29,1469.29 2080.71,1925.71 ccw(c2010,1996.42) 2110,1996.42 2110,3638.58 ccw(c2010,3638.58) 2080.71,3709.29 2009.29,3780.71 ccw(c1938.58,3710) 1938.58,3810 v1(1641.04,3810)
NetESP1_13: ESP1.13 R6.2 SW1.1 | length 5847.6
  Top Layer w19.68: R6.2 ESP1.13@1013.82,599
  Bottom Layer w19.68: ESP1.13@1013.82,599 955.42,599 ccw(c955.42,499) 884.71,569.71 719.29,404.29 cw(c648.58,475) 648.58,375 220,375 cw(c220,465) 209.37,375.63 cw(c220,465) 130.63,454.37 cw(c220,465) 130,465 130,1273.58 cw(c230,1273.58) 159.29,1344.29 295.71,1480.71 cw(c366.42,1410) 366.42,1510 1523.58,1510 ccw(c1523.58,1610) 1594.29,1539.29 1915.71,1860.71 ccw(c1845,1931.42) 1945,1931.42 1945,3548.58 cw(c2045,3548.58) 1974.29,3619.29 SW1.1@2000,3645
NetESP1_14: ESP1.14
NetLED2_1: LED2.1 R7.2 | length 84.7
  Top Layer w19.68: 1486.26,3818.64 cw(c1486.26,3813.64) 1491.26,3813.64 R7.2@1491.26,3736.77
NetLED3_1: LED3.1 R10.1@375,1215 | length 87.1
  Top Layer w19.68: LED3.1 370,1210 R10.1@375,1215
NetR1_2: R1.2 R2.1 U1.4 | length 285.3
  Top Layer w19.68: U1.4 2106.93,2920 2245,2920 2275,2950 R2.1 R1.2
NetR3_1: R3.1 Soc1.2 | length 449.4
  Top Layer w19.68: R3.1@765,3140 765,3290 cw(c820,3290) 820,3345 935,3345 cw(c935,3314.37) 965.63,3314.37 Soc1.2
NetR4_1: R4.1 Soc1.3 | length 133.4
  Top Layer w19.68: R4.1@853.31,3140 845,3148.31 ccw(c795.19,3198.11) 865.63,3198.11 Soc1.3
NetR5_1: R5.1 Soc1.7 | length 128.5
  Top Layer w19.68: Soc1.7 915.63,3159.37 ccw(c930,3159.37) R5.1@925,3145.9 ; R5.1@925,3145 R5.1@925,3145.9 ; R5.1 cw(c930,3159.37) R5.1@925,3145.9
NetR43_2: R43.2 U2.39 | length 117.1
  Top Layer w19.68: U2.39 853.31,2118.62 863.15,2108.78 R43.2@866.38,2108.78
RXD1: R12.1 U2.2 | length 1222.3
  Top Layer w19.68: U2.2 1173.74,2370.12 cw(c1173.74,2318.86) 1225,2318.86 1225,2176.5 v1(1225.81,2175.7) ; R12.1 v1(1311.62,1595)
  Bottom Layer w19.68: v1(1225.81,2175.7) 1225.35,2175.24 1225.35,1916.07 1225.81,1915.61 ccw(c1325.81,1915.61) 1255.1,1844.9 1282.33,1817.67 cw(c1211.62,1746.96) 1311.62,1746.96 v1(1311.62,1595)
SimClk: R4.2 U2.16 | length 147
  Top Layer w19.68: R4.2 853.31,3046.69 U2.16
SimData: C5.2@1030,3025 R5.2 U2.15 | length 261.7
  Top Layer w19.68: U2.15 896.61,2965 cw(c960.87,2965) 915.43,3010.44 925,3020 ; R5.2 925,3050 925,3020 ; C5.2@1030,3025 1025,3020 925,3020
SimRST: R3.2 U2.17 | length 162.4
  Top Layer w19.68: R3.2 797.06,3017.94 ; 797.09,3017.92 cw(c765.82,2986.7) 810,2986.7 U2.17
SIMVCC: Cx8.1@1031.26,3115 Soc1.1 U2.18 | length 1090.7
  Top Layer w19.68: 753.3,2981.7 715,3020 cw(c751.21,3056.21) 700,3056.21 700,3315 cw(c775,3315) 775,3390 985,3390 cw(c985,3310) 1001.13,3388.36 cw(c985,3310) 1063.36,3326.13 cw(c985,3310) 1065,3310 1065,3235 1070,3230 1070,3181.64 cw(c1002.65,3181.64) Cx8.1@1050.3,3134.04 ; 753.33,2981.67 cw(c720.98,2949.37) 766.69,2949.37 U2.18 ; Cx8.1@1031.26,3115 Cx8.1@1050.27,3134.01
TXD1: R11.1 U2.1 | length 1161.5
  Top Layer w19.68: U2.1 1161.39,2326.81 cw(c1161.39,2298.74) 1181.24,2318.59 cw(c1151.05,2288.4) 1193.74,2288.4 1193.74,2270 cw(c1138.08,2270) 1177.44,2230.64 1166.5,2219.7 ccw(c1208.67,2177.54) v1(1149.03,2177.54) ; R11.1@1201.27,1260 ccw(c1201.27,1268.73) 1210,1268.73 v1(1210,1605)
  Bottom Layer w19.68: v1(1149.03,2177.54) 1149.03,1867.39 ccw(c1249.03,1867.39) 1178.32,1796.68 1180.71,1794.29 cw(c1110,1723.58) 1210,1723.58 v1(1210,1605)
VCC: C4.1 Cx3.2 Cx4.2 Cx5.2 F1.2 U2.34 U2.35 | length 356.3
  Top Layer w19.68: 595.2,1749.99 595.2,1809.56 622.32,1836.69 C4.1@627.32,1841.69 ; U2.34 U2.35 Cx3.2@680.08,2105.54 ; F1.2@670.2,1640 Cx5.2@670.2,1734.99
VDDEXIT: U2.40
pads on no net: C8.4 DC1.4 DC2.4 ESP1.2 JDC1.3 Soc1.6 Soc1.10 Soc1.11 Soc1.12 Soc1.13 SW1. U1.5 U2.3 U2.4 U2.5 U2.6 U2.7 U2.9 U2.10 U2.11 U2.12 U2.14 U2.20 U2.22 U2.23 U2.24 U2.25 U2.26 U2.29 U2.38 U2.42

## Polygon pours and split planes (outlines as drawn)
GND on Bottom Layer "Bottom Layer-No Net" (solid, shelved, pour order 0): 2640,3895 2640,120 1650,120 1650,1000 1615,1035 1070,1035 1050,1015 985,1015 930,960 930,310 100,310 100,3895
GND on Top Layer "Top Layer-GND" (solid, remove dead copper, shelved, pour order 4): 710,3909.62 710,3318.74 729.12,3299.62 1149.12,3299.62 1149.12,3907.45 1146.96,3909.62 2619.12,3909.62 2619.12,3299.62 2619.12,3150 2509.51,3150 1452.82,3150 1452.82,2548.28 1576.49,2424.62 2600,2424.62 2600,349.62 1619.12,349.62 1624,354.5 1624,966.5 971,966.5 969.12,964.62 969.12,299.62 128.82,299.62 92.81,335.63 92.81,3909.62

## Other copper
Top Layer:
  region: 1230.82,3405 cw(c1230.82,3395.82) 1240,3395.82 1240,3345 cw(c1230,3345) 1230,3335 1145,3335 cw(c1145,3340) 1140,3340 cw(c1140,3345) 1135,3345 1135,3400 cw(c1140,3400) 1140,3405
  region: 653.23,3815 ccw(c653.23,3840) 678.23,3840 678.23,3900.55 ccw(c674.55,3900.55) 674.55,3904.24 514.24,3904.24 ccw(c514.24,3890) 500,3890 500,3832.32 ccw(c517.32,3832.32) 517.32,3815
  region: 1215,3905 cw(c1215,3900) 1220,3900 1220,3783.75 cw(c1216.25,3783.75) 1216.25,3780 1155,3780 cw(c1155,3795) 1140,3795 1140,3900 cw(c1145,3900) 1145,3905
  region: 495,3399.99 495,3400 583.42,3400 cw(c583.42,3393.23) 590.19,3393.23 590.19,3200.19 cw(c580,3200.19) 580,3190 505,3190 cw(c505,3200) 495,3200 495,3392.49 cw(c502.5,3392.49) 502.5,3399.99
  region net GND: 584.02,3085 cw(c594.02,3085) 594.02,3095 620,3095 ccw(c620,3105.85) 630.85,3105.85 630.85,3451.12 ccw(c610,3451.12) 610,3471.97 662.55,3471.97 cw(c662.55,3455) 679.52,3455 679.52,3094.52 cw(c650,3094.52) 650,3065
  region net GND: 545.83,2335 545.83,2315 cw(c540.83,2315) 540.83,2310 135.19,2310 cw(c135.19,2345) 100.19,2345 100.19,3865 cw(c110.19,3865) 110.19,3875 445.19,3875 cw(c445.19,3855) 465.19,3855 465.19,3085 cw(c420.19,3085) 420.19,3040 415.83,3040 cw(c415.82,3065.63) 390.19,3065.64 390.19,3065 390.19,3822.32 225.19,3822.32 225.19,3140 225.07,3099.88 135.19,3010 135.19,2380 165.19,2350 165.19,2345 530.19,2345 535.19,2340
  region net NetD1_2: 1570,2431.32 1570,2560 1840,2560 1870,2590 1874.64,2585.36 1874.64,2431.32
  region net GND: 1550,2426.75 1549.93,2426.82 1549.93,2560 1471.44,2560 1446.04,2585.39 1446.04,2505
  region net GND: 1475,1945.06 1901.27,1945.06 1904.02,1947.82 1904.02,1980 1853.6,1980 1730.94,2102.67 1492.67,2102.67 1472.5,2082.5
  region net GND: 1970,3050.09 2514.91,3050.09 2515,3050 2515,3077.87 2357.87,3235 1988.75,3235 1970,3216.25
  region net GND: 715,2225 714.99,2224.99 714.99,2150.01 730,2135 730,1637.77 747.77,1620 825,1620 880,1675 986.3,1675 997.5,1686.2 997.5,1798.02 1152.86,1953.37 1460,1953.37 1460,2035 1490,2065 1455,2100 1336.88,2100 1261.88,2025 934.68,2025 920,2010.32 822.02,2010.32 808.35,2023.99 808.35,2028.48 792.13,2044.7 792.13,2135.37 775,2152.5 775,2260 725,2260
  region net Net2_2: 289.83,3294.45 289.83,3255.08 290.46,3254.45 342.25,3254.45 342.25,3277.93
  region net NetC2_1: 2385,2219.68 2386.04,2220.72 2386.04,2393.89 2275,2504.93 2275,2575.13 2183.31,2575.13 2181.32,2577.11 2180,2575.79 2180,2425.16 2209.98,2395.18 2265.92,2395.18 2310,2351.1 2310,2225
  region net NetCx9_2: 825.63,1590 889.01,1653.38 986.62,1653.38 1000,1640 1000,1495 940,1435 550,1435 540,1445 540,1590
  region net NetC2_1: 1024.19,1550 1164.19,1550 1164.19,1653.38 1225.81,1715 1975,1715 2065,1805 2324.19,1805 2389.19,1870 2389.19,2245 2344.19,2290 2321.69,2290 2309.19,2277.5 2309.19,2075.39 2158.79,1924.99 1539.19,1924.99 1170.95,1924.99 1021.08,1775.12 1021.08,1560
  region net NetC2_1: 2470,2745 2520,2745 2520,2752.3 2530,2762.3 2530,2885 2505,2910 2350,2910 2335,2895 2335,2841 2339,2841 2360,2820 2455,2820 2470,2805
  region net NetC1_1: 2435,3525 2655,3525 2655,2465 2575.32,2465 2410.36,2629.96 2080.04,2629.96 2035,2675 2035,2745 2176.57,2745 2221.57,2700 2535,2700 2550,2715 2550,3071.25 2355,3266.25 2355,3430 2440,3515
  region net GND: 2017.77,245 2025.27,306.25 1950.27,306.25 1950.27,421.25 1855.27,421.25 1855.27,245
  region net NetCx6_2: 1718.24,932.6 1721.94,928.9 1930,928.9 1930,555.64 1810,435.64 1810,210 2099.21,210 2099.21,295 2150,295 2150,165 1685.01,165 1685.01,417.5 1757.5,417.5 1755,420 1755,826.4 1680,901.4
  region net GND: 1220,2673.27 1220,2656.25 1203.75,2640 1105,2640 1105,2635 1120.66,2619.34 1209.1,2619.34 1340,2488.45 1361.55,2510 1375,2510 1375,2515
  region net NetCx6_2: 1490,3680.31 1475,3665.31 1475,3562.81 1500,3537.81 1578.12,3537.81 1595,3554.69 1595,3675.31 1590,3680.31
  region net GND: 1076.15,1960 1076.82,1960.67 1350,1960.67 1350,2005.81 1363.05,2018.86 1115,2018.86
  region net GND: 1272.45,2954.37 1340.87,2954.37 1355.24,2940 1341.46,2926.22 1341.46,2825 1310.73,2825 1270.73,2865
  region net GND: 431.99,3376.15 431.99,3426.15 677.52,3426.15 680.53,3779.53 436.28,3784.14 420,3817.64
  region net GND: 2215,3209.37
  region net GND: 2160.88,2841 2159.69,2842.18 1890,2842.18 1890,3385 1995,3385 1995,2877.5 2159.38,2877.5 2160.88,2879
  region net GND: 1855,370 1950,370 1950,400 1960,410 1955,415 1955,420 1845,420 1840,415
  region: 1840,415
  region net GND: 737.81,935 617.22,935 609.84,927.62 609.84,870 635,870 655,850 660,855 715,855 720,860
  region net GND: 576.79,1285 475,1285 462.5,1272.5 462.5,770 495,770 505.32,759.68 555.64,810 560,810 510,760 500,770 540,770 545,765 580,800 580,917.18 530.64,966.55 530.64,1235.22 594.83,1234.63
  region: 533.59,1320
  region net NetLED3_1: 355,1235 420,1235 420,1130 400,1110 350,1110 350,1220
  region net NetC3_1: 375,1295 425,1295 490,1360 490,1390 470,1390 465,1395 460,1390 390,1390 345,1345 345,1305 350,1300
  region net NetCx6_2: 1505,1155 1500,1160 1500,1620 1425,1620 1425,1096.69 1505,1096.69
  region net GND: 1550,1280 1775,1280 1775,1215 1560.79,1215 1545,1230.79
  region: 1695,2032.09
  region net GND: 1363.37,1953.37 1365,1955 1470.08,1955 1505,1989.92 1505,2495 1410,2590 1410,2900 1231.25,2900 1217.5,2913.75 1210,2906.25 1210,2885 1212.5,2885 1220,2877.5 1220,2657.5 1345,2532.5 1345,2520
  region net NetCx6_2: 772.5,625 772.5,512.5 760,500 705,500 660,545 660,570 715,625
  region net NetC3_1: 1870,1265 1875,1270 2390,1270 2390,1710 2385,1705 2220,1705 2220,1770 2510,1770 2510,985 1870,985
  region net GND: 760,1945 760,2139.17 717.23,2181.94 717.23,2242.23 730,2255 772.61,2186.85 784.36,2032.09 852.91,2032.09 1015.63,2032.09 1015.63,2005.63 900,1890 875,1890
  region net NetC2_1: 1975,2080 2300,2080 2335,2115 2335,2285 2340,2290 2380,2290 2385,2285 2385,1910 2330,1855 1985,1855 1925,1915 1925,2020
  region net NetD1_2: 1700,2175 1715,2190 1715,2338.86 1746.26,2370.12 2130.12,2370.12 2140,2380 2140,2496.93 1963.07,2673.86 1963.07,2753.07 1984.36,2774.36 2045,2774.36 2045,2775 2075,2805 2075,2815 1890,2815 1865,2790 1865,2560 1820,2515 1635,2515 1570,2450 1570,2160 1585,2145 1590,2150 1665,2150
  region net GND: 1760,1007.58 1755,1012.58 1755,1605 1820,1670 2270,1670 2270,1625 2242.77,1597.77 1847.77,1597.77 1810,1560 1810,985
  region net NetC3_1: 1860,990 1860,1210.79 1840,1230.79 1855,1245.79 1855,1265 1915.79,1265 1920.79,1260 1920.79,1000.79 1920,1000
  region net GND: 990,923.59 990,1015 1005,1030 1820,1030 1820,990 1060,990 1035,965 1035,907.8
  region net NetCx6_2: 1555,889.38 1911.58,889.38 1930,907.8 1930,950 1925,955 1840,955 1825,940 1820,945 1545,945 1535,935 1535,895
  region net GND: 1030,940 1025,935 737.81,935 715,912.19 715,855 720,860 772.5,860 772.5,883.75 783.75,895 1015.79,895 1028.58,907.8 1030,907.8
  region net GND: 770,817.5 767.5,815 626.41,815 626.41,865 630,868.59 630,870 775,870
  region net GND: 365,775 510,775 557.18,822.18 557.18,837.82 617.82,837.82 635,855 635,780 580,725 365,725
  region net NetESP1_12: 635,610 705,680 705,690 595,690 580,675 580,614.02 584.02,610
  region net GND: 635,940 635,832.5 637.5,830 565,830 557.18,837.82 557.18,940
  region net NetESP1_12: 1567.5,3768.75 1668.75,3768.75 1672.5,3765 1687.5,3780 1687.5,3860 1682.5,3865 1567.5,3865
  region net GND: 2125,2875 2302.5,2875 2315,2862.5 2315,2805 2405,2805 2405,2755 2255,2755 2250,2760 2250,2840 2119.37,2840 2115,2844.37
  region net Net1_2: 1250,3730 1260,3740 1260,3835 1270,3845 1277.35,3837.65 1310,3837.65 1310,3742.5 1292.02,3724.52 1285,3724.52
  region net Net1_1: 1284.86,3524.43 1289.86,3529.43 1324.86,3529.43 1324.86,3649.43 1304.86,3669.43 1249.86,3669.43 1249.86,3534.43 1259.86,3524.43 1319.86,3524.43 1324.86,3529.43
  region net GND: 985,2935 1070,2935 1110,2975 1110,3280 1120,3290 1215,3290 1310,3385 1322.5,3372.5 1322.5,2942.5 1265,2885 990,2885
  region net GND: 1105,2640 1250,2640 1310,2700 1315,2695 1315,2610 1305,2610 1295,2620 1145,2620
  region net VCC: 690,1636.86 690,1850 705.63,1865.63 705.63,2114.37 690,2130 690,2245 685,2250 630,2250 620,2240 620,2055 530.64,1965.64 530.64,1636.86
  region net GND: 510,2575.63 441.01,2575.63 290,2726.64 290,2818.86 550.49,3079.35 550.49,3100 660.32,3100 665,3104.68 665,3011.69 636.69,3011.69 625,3000 560,3000 390,2830 390,2668.78 463.78,2595 495,2595
  region net NetC7_1: 502.5,2530 420,2530 360,2470 354.14,2470 354.14,2559.14 365,2570 398.13,2570 418.13,2550 423.13,2555 505,2555 510,2550
  region: 810,2911.46
  region net GND: 505,2400 500,2405 235,2405 195.63,2444.37 195.63,2899.54 385.33,3089.25 444.14,3085 465.19,3106.06 465.19,3051.06 354.14,2940 240,2825.86 240,2450 265,2425 505,2425 510,2420
Bottom Layer:
  region net NetC2_1: 2385,2220 2385,2422.72 2295,2512.72 2295,2810 2315,2830 2385,2830 2405,2850 2405,2930 2397.5,2930 2387.5,2940 2382.5,2935 2160,2935 2155,2930 2155,1825 2350,1825 2390,1865 2387.5,1867.5 2387.5,2200
  region net GND: 2430,2250 2460,2280 2487.5,2280 2487.5,2202.5 2485,2205 2435,2205
  region net GND: 2277.5,3301.39 2277.5,3217.82 2497.5,2997.82 2497.5,1657.82 2447.5,1607.82 2217.5,1607.82 2217.5,1637.82 2202.5,1652.82 2207.5,1657.81 2207.5,1664.48 2409.17,1664.48 2432.5,1687.82 2432.5,3012.19 2232.5,3212.19 2232.5,3307.82
  region net NetC1_1: 2390,3250 2415,3275 2415,3385 2485,3455 2455,3485 2455,3487.5 2412.5,3487.5 2350,3425 2350,3275
  region net NetC1_1: 2410,3515 2430,3495 2570,3495 2650,3415 2650,1505 2255,1505 2255,1545 2275,1565 2510,1565 2545.31,1600.31 2545.32,3255 2386.36,3255

## Silkscreen, mask and mechanical layers (free items; w line width, h text height)
Top Overlay:
  text "4.1 V" at 2511.26,2885 h60 r90
  text "24/07/2019" at 335.13,1667.56 h118.11 r90
  text "Test  Vol / 4.1V" at 1175,1626.87 h118.11
  text "3.3 V" at 2440,1503.47 h60 r90
  text "+ -" at 215.63,1128.53 h118.11 r270
  text "Tx-Rx-GND" at 320,480 h60 r90
  text "16     |  14   |  12 | 13 |12V / GND | 3.3V |  15 |  2   | 12V" at 1816.54,460 h59.06
Top Solder:
  lines w10: -5.91,4125 -5.91,4145 ; 54.09,4115 -5.91,4135 ; 54.09,4155 -5.91,4135 ; 1088.17,4135 -5.91,4135 ; 1650,4135 2744.09,4135 ; 2684.09,4115 2744.09,4135 ; 2684.09,4155 2744.09,4135 ; 2744.09,4125 2744.09,4145
  lines w50: 635.85,1485 855,1485 920,1550 ; 770,2130 770,1985 800,1955 1033.21,1955 1073.21,1995 1320,1995 1480,2155 ; 1095,1700 1215,1820 1910,1820 1980,1890 2220,1890 ; 2460,2660 2565,2660 ; 2495,3345 2580,3260 2580,2660
  text "2750 (mil)" at 1098.17,4099.01 h60
Bottom Solder:
  lines w50: 2230,2895 2230,2505 2330,2405 2330,2130 2332.5,2132.5
Mechanical 1:
  lines w15.75: 0,0 0,3935 2735,3935 2735,0 1630,0 1630,280 1430,280 1430,890 1115,890 1115,270 815,270 815,0 0,0 ; 635,2385 636.69,2386.69 636.69,2763.31 980,2763.31 980,2385 635,2385

## Dimensions
0,3935 to 323.01,3740 on Top Layer

## Text inside footprints (layer, text, board x,y; h text height)
C1: Top Overlay "+" at 2489.96,3309.02 h59.06 r180
C2: Top Overlay "+" at 2245.04,2200.98 h59.06
C3: Top Overlay "+" at 1975.59,1269.02 h59.06 r180
C5: Top Overlay "+" at 1434.02,1786.29 h59.06 r90
ESP1: Top Overlay "ESP-07" at 1450.45,645 h60 r180; Mechanical 4 ">VALUE" at 1618.45,842 h1.55 r270; Mechanical 4 ">VALUE" at 1617.45,451 h1.55 r270; Mechanical 4 ">VALUE" at 1617.45,371 h1.55 r270; Mechanical 4 ">VALUE" at 1619.45,370 h1.55 r270; Mechanical 4 ">VALUE" at 1619.45,449 h1.55 r270; Mechanical 4 ">VALUE" at 1619.45,527 h1.55 r270; Mechanical 4 ">VALUE" at 1619.45,606 h1.55 r270; Mechanical 4 ">VALUE" at 1619.45,685 h1.55 r270; Mechanical 4 ">VALUE" at 1619.45,764 h1.55 r270; Mechanical 4 ">VALUE" at 1619.45,842 h1.55 r270; Mechanical 4 ">VALUE" at 950.45,921 h1.55 r270; Mechanical 4 ">VALUE" at 950.45,842 h1.55 r270; Mechanical 4 ">VALUE" at 950.45,764 h1.55 r270; Mechanical 4 ">VALUE" at 950.45,685 h1.55 r270; Mechanical 4 ">VALUE" at 950.45,606 h1.55 r270; Mechanical 4 ">VALUE" at 950.45,527 h1.55 r270; Mechanical 4 ">VALUE" at 950.45,449 h1.55 r270; Mechanical 4 ">VALUE" at 950.45,370 h1.55 r270
Soc1: Top Overlay "M" at 1085.63,3679.45 h314.96 r180; Top Overlay "icro" at 875.63,3574.45 h118.11 r180; Top Overlay "SIM" at 875.63,3684.45 h157.48 r180
U1: Top Overlay "1" at 2098,2662.14 h39.37 r90